# Altium PCB Fri3D_IRA_02.PcbDoc (part 1 of 2)
Units mm, origin at the board's own origin, x right, y up, seen from the top; angles counter-clockwise.
Board outline 68.5 x 67.5 mm, 2 copper layers (Top Layer, Bottom Layer), stack 1.571 mm thick; 98 components, 74 nets, 350 pads, 73 vias.
Unrouted connection lines stored in the file: 3.
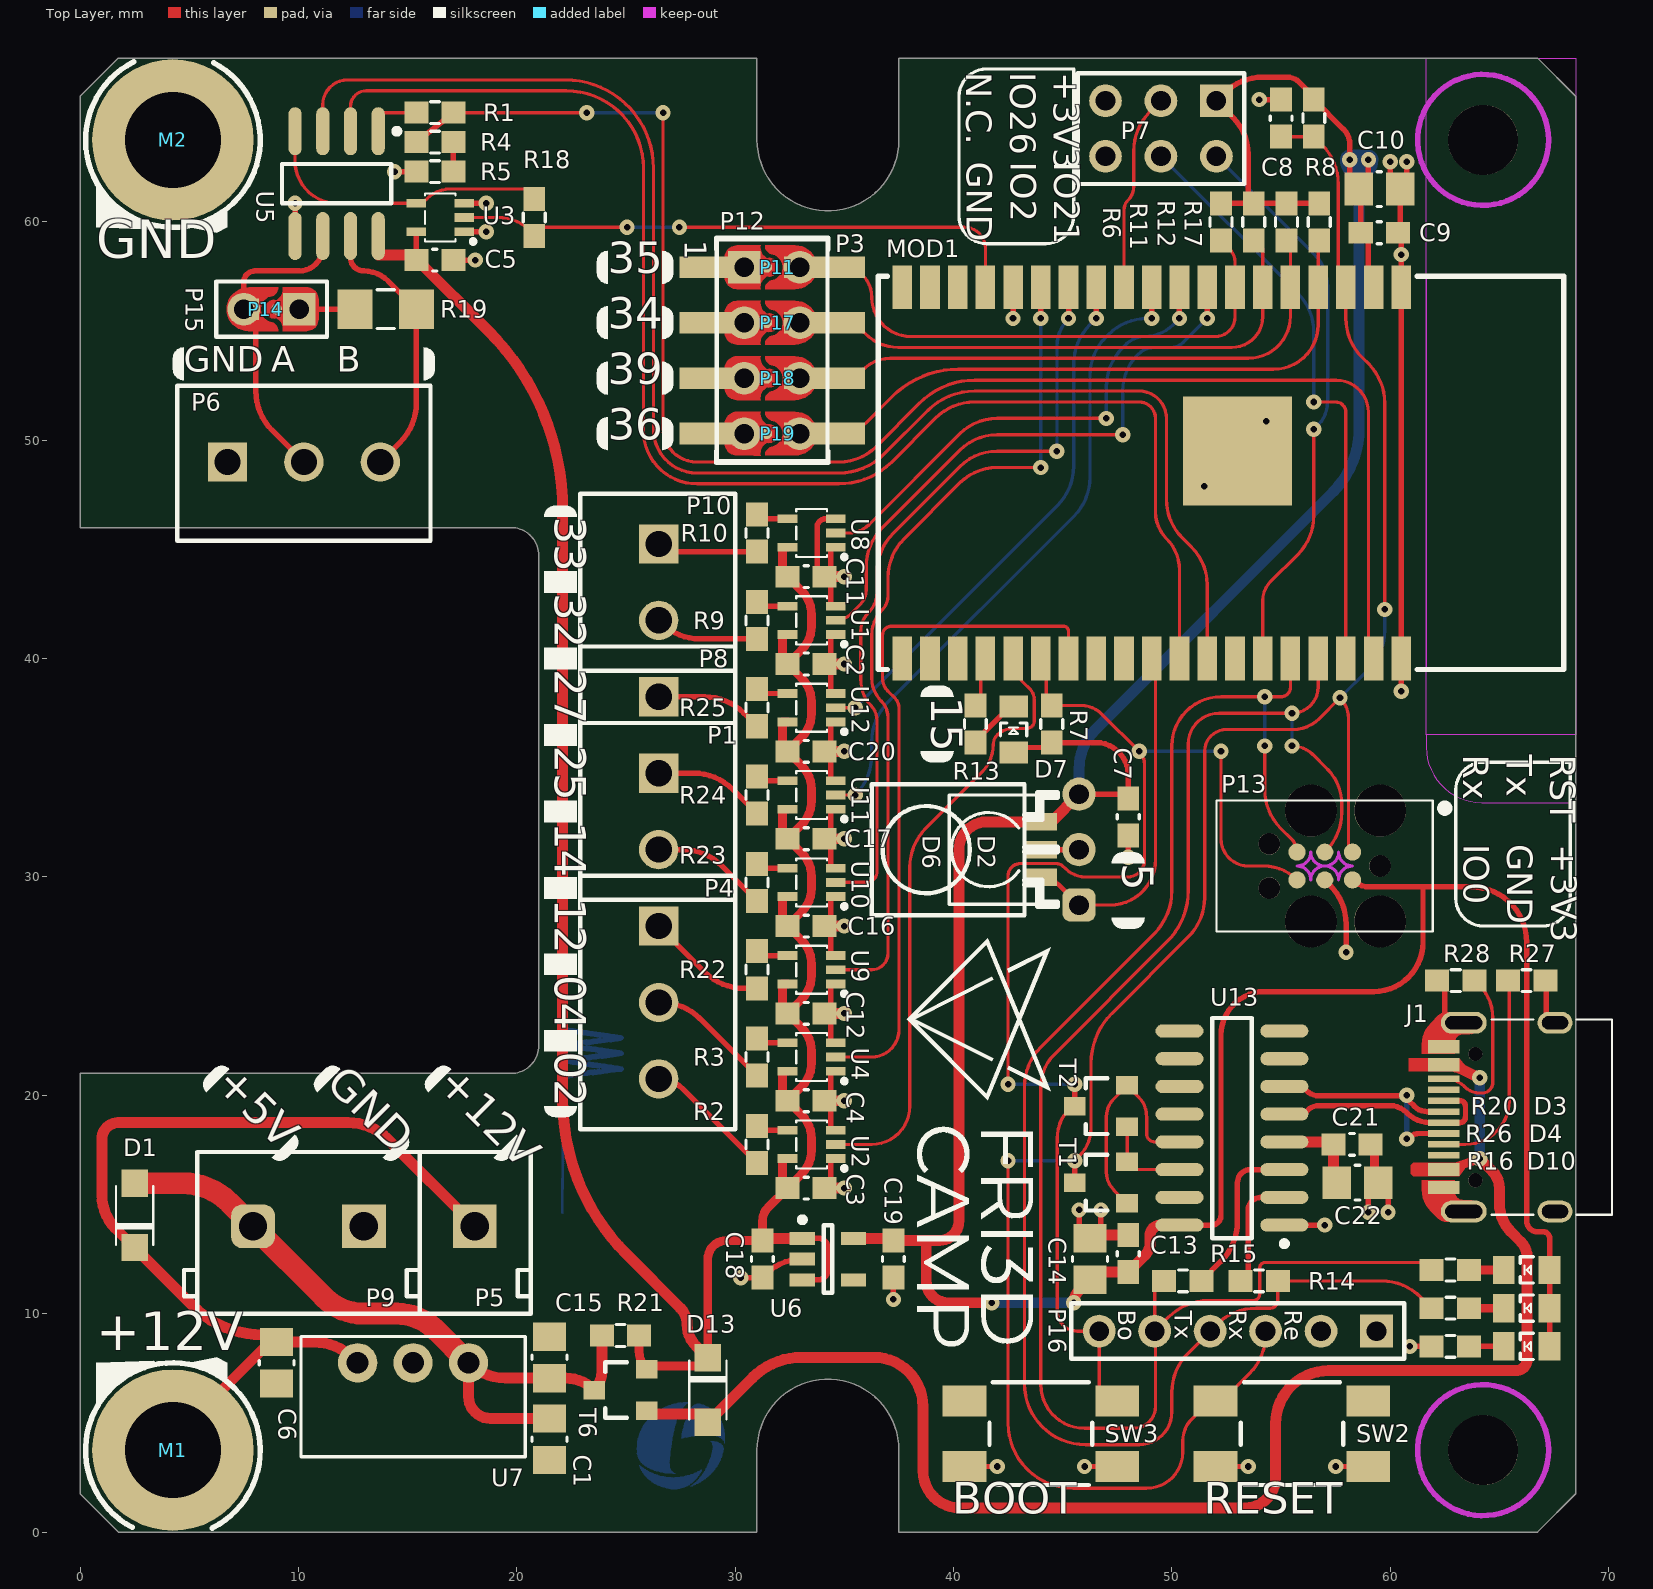
[diagram p0: Top Layer view]
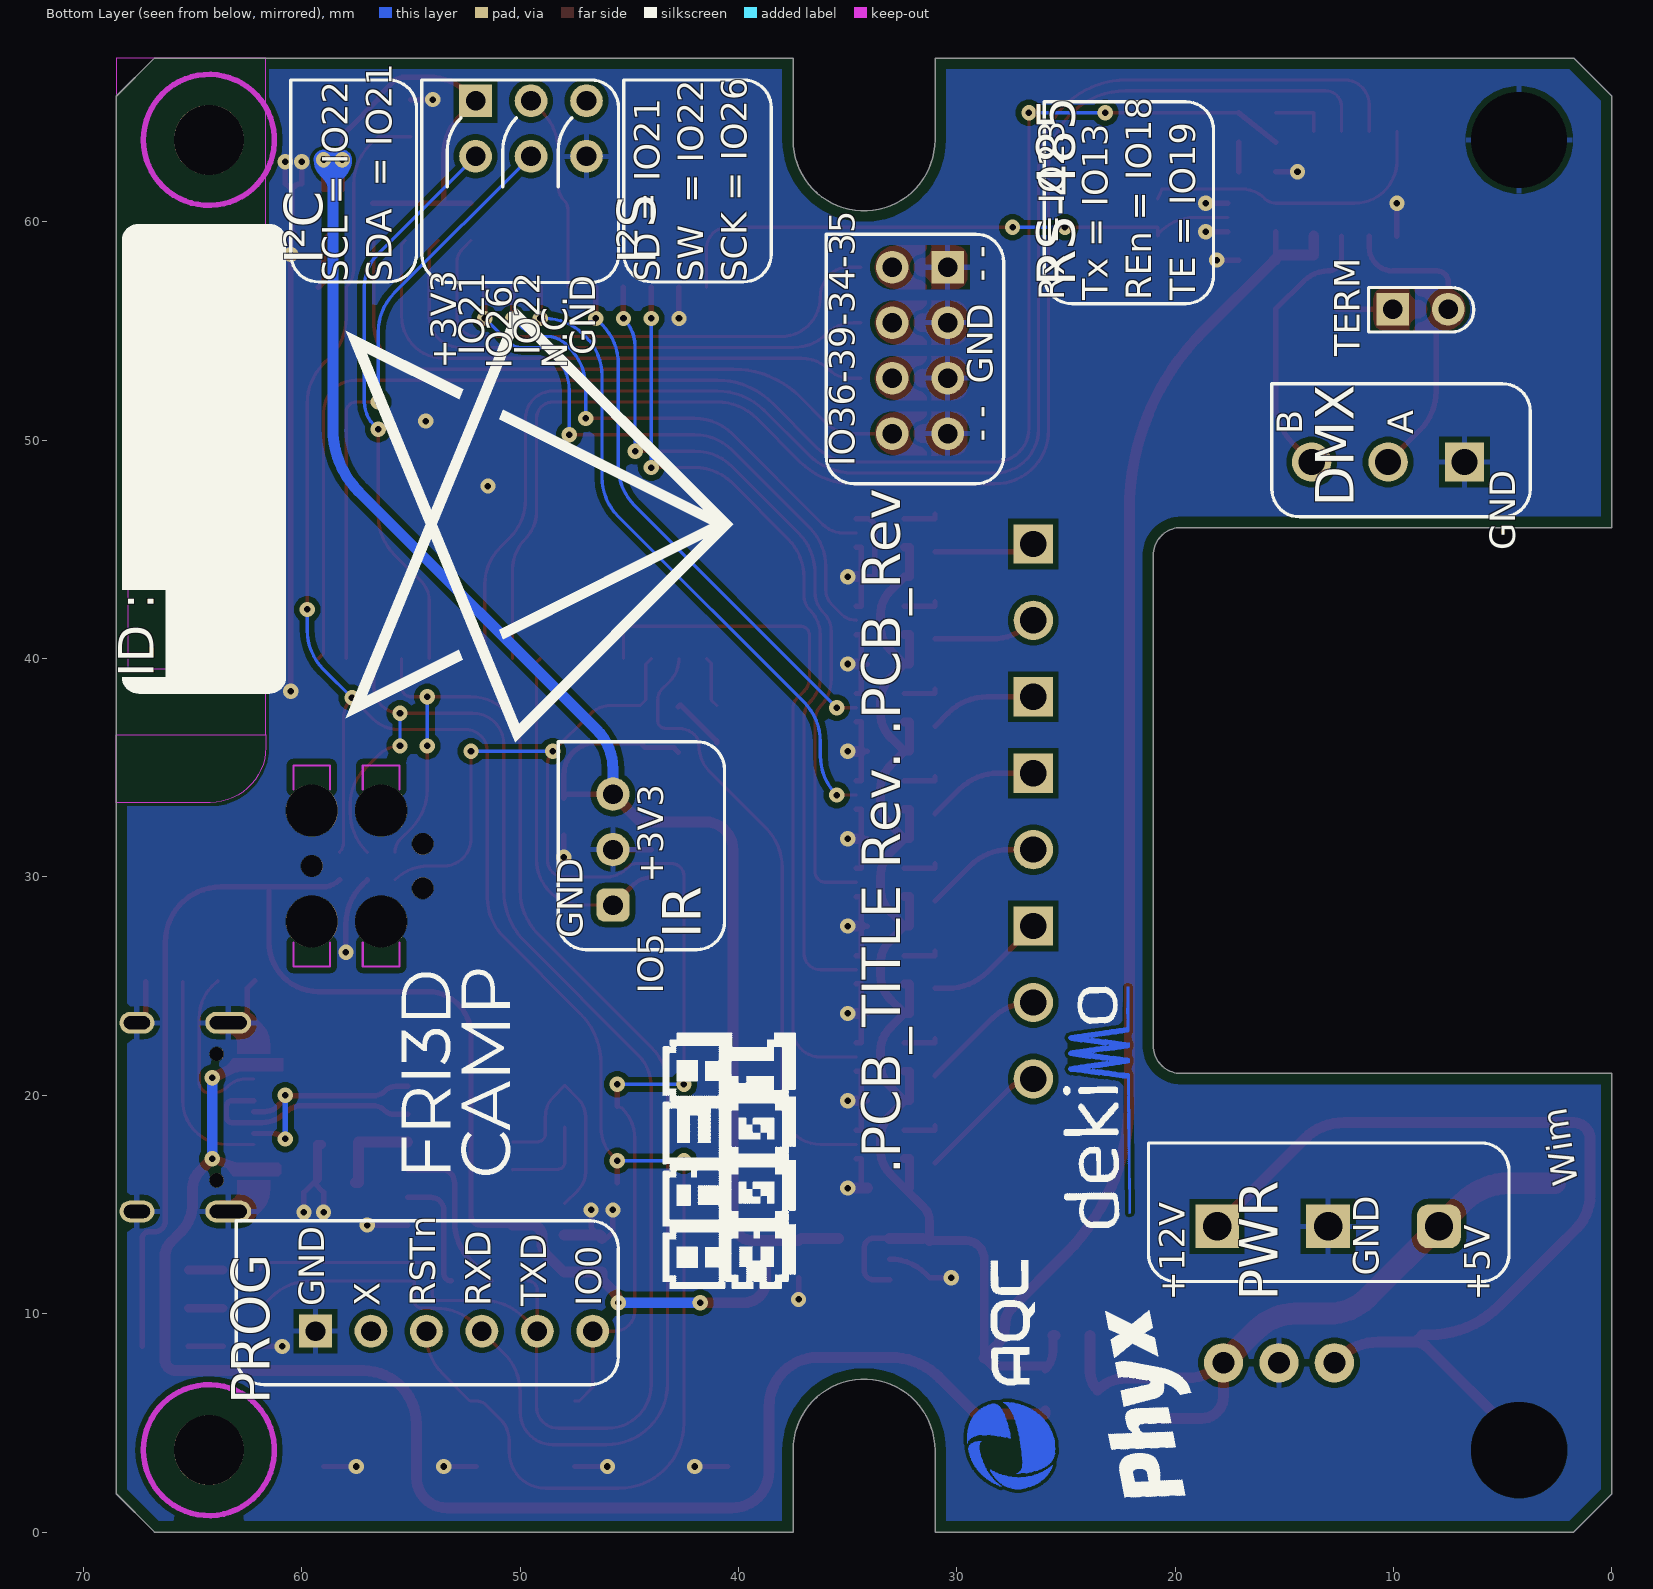
[diagram p1: Bottom Layer view, seen from below]

## Layer stack, top to bottom
Top Solder: solder mask 0.0102, Solder Resist, Dk 3.5
Top Layer: signal copper 0.0356
Dielectric1: core 1.5, FR-4, Dk 4.8
Bottom Layer: signal copper 0.0356
Bottom Solder: solder mask 0.0102, Solder Resist, Dk 3.5

## Board outline
0,1.75 1.75,0 31,0 31,3.75 cw(c34.25,3.75) 37.5,3.75 37.5,0 66.75,0 68.5,1.75 68.5,65.75 66.75,67.5 37.5,67.5 37.5,63.75 cw(c34.25,63.75) 31,63.75 31,67.5 1.75,67.5 0,65.75 0,46 19.73,46 cw(c19.73,44.73) 21,44.73 21,22.27 cw(c19.73,22.27) 19.73,21 0,21

## Design rules (kind name [scope] priority, off if disabled: settings)
BoardOutlineClearance [NOT OnLayer('Top Overlay') AND NOT OnLayer('Bottom Overlay') AND NOT IsText AND NOT HasFootprint('MicroBIT_PCB') AND NOT IsKeepOut] p1: gap=0.5 ignorepadtopadclearanceinfootprint=FALSE except(0: Arc-SplitContinuation Track-SplitContinuation SMDPad-SplitContinuation THPad-SplitContinuation Via-SplitContinuation Fill-SplitContinuation Poly-SplitContinuation Region-SplitContinuation Text-SplitContinuation; 0.15: SMDPad-OutlineEdge THPad-OutlineEdge; 0.25: Region-OutlineEdge; 0.3: Arc-OutlineEdge Track-OutlineEdge; 0.4: Via-OutlineEdge)
Clearance [All] p1: gap=0.15 ignorepadtopadclearanceinfootprint=FALSE except(0: Arc-Hole Track-Hole SMDPad-Hole THPad-Hole Via-Hole Fill-Hole Poly-Hole Region-Hole Text-Hole; 0.25: Arc-Poly Track-Poly SMDPad-Poly THPad-Poly Via-Poly Fill-Poly; 1.1: Poly-Poly)
ComponentClearance ComponentClearance_TP [HasFootprint('TP_2x3mm')] p1: gap=0 collisioncheckmode=3 verticalgap=0 showdistances=FALSE
ComponentClearance [All] p2: gap=0.25 collisioncheckmode=3 verticalgap=0.25 showdistances=FALSE
DiffPairsRouting [All] p1: maxlimit=0.254 minlimit=0.2 mostfreqgap=0.2 toplayer_minwidth=0.25 toplayer_maxwidth=0.5 toplayer_prefwidth=0.25 bottomlayer_minwidth=0.25 bottomlayer_maxwidth=0.5 bottomlayer_prefwidth=0.25 maxuncoupledlength=12.7
HoleSize [All] p1: absolutevalues=TRUE maxlimit=10 minlimit=0.025 maxpercent=80.000 minpercent=20.000
PolygonConnect PolygonConnect_VIA [IsVia] p1: connectstyle=Direct reliefconductorwidth=0.254 reliefentries=4 polygonreliefangle="90 Angle" airgapwidth=0.254
PolygonConnect [All] p2: connectstyle=Relief reliefconductorwidth=0.254 reliefentries=4 polygonreliefangle="90 Angle" airgapwidth=0.254
RoutingVias [All] p1: holewidth=0.3 width=0.7 viastyle="Through Hole" minholewidth=0.3 minwidth=0.2 maxholewidth=0.6 maxwidth=1.2
SilkToSolderMaskClearance SilkscreenOverComponentPads [IsPad] p1: minsilkscreentomaskgap=0.254 clearancetoexposedcopper=TRUE
SolderMaskExpansion [All] p1: expansion=0.05 istentingtop=FALSE
Width [All] p1: maxlimit=5 minlimit=0.15 preferedwidth=0.25
26 further rules are at their usual default settings.

## Classes and differential pairs
net class 90r: USB.D_n USB.D_p
component class Fri3D_IRA_02: J1 M1 M2 P1 P3 P4 P5 P6 P7 P8 P9 P10 P11 P12 P17 P18 P19 R6 R11 R12 R17 R27 R28
net class LED.DOUT[0..7]: LED.DOUT0 LED.DOUT1 LED.DOUT2 LED.DOUT3 LED.DOUT4 LED.DOUT5 LED.DOUT6 LED.DOUT7
net class LED.D[0..7]: ESP.IO2 ESP.IO4 ESP.IO12 ESP.IO14 ESP.IO25 ESP.IO27 ESP.IO32 ESP.IO33
net class ESP.IO[0..39]: ESP.IO0 ESP.IO2 ESP.IO4 ESP.IO5 ESP.IO6 ESP.IO7 ESP.IO8 ESP.IO9 ESP.IO10 ESP.IO11 ESP.IO12 ESP.IO13 ESP.IO14 ESP.IO15 ESP.IO16 ESP.IO17 ESP.IO18 ESP.IO19 ESP.IO20 ESP.IO21 ESP.IO22 ESP.IO23 ESP.IO24 ESP.IO25 ESP.IO26 ESP.IO27 ESP.IO28 ESP.IO29 ESP.IO30 ESP.IO31 ESP.IO32 ESP.IO33 ESP.IO34 ESP.IO35 ESP.IO36 ESP.IO37 ESP.IO38 ESP.IO39
component class Power: C1 C6 C15 C18 C19 D1 D13 R21 T6 U6 U7
component class Peripherals: C2 C3 C4 C5 C7 C11 C12 C16 C17 C20 D2 D6 P14 P15 R1 R2 R3 R4 R5 R9 R10 R18 R19 R22 R23 R24 R25 U1 U2 U3 U4 U5 U8 U9 U10 U11 U12
component class ESP32: C8 C9 C10 C13 C14 C21 C22 D3 D4 D7 D10 MOD1 P13 P16 R7 R8 R13 R14 R15 R16 R20 R26 SW2 SW3 T1 T2 U13
net class POWER: 3V3_ESP 3V3_USB +5VIN +12VIN GND VSYS VUSB
differential pair USB.D: +USB.D_p -USB.D_n

## Components (designator, comment, footprint, x,y, rotation, side; value= is the part's Value field where it differs from the comment)
C1 "CAP_CERAMIC" C0805_N 21.5,4.25 r270 top value="10uF 10V"
C2 "" C0603_N 33.25,39.75 r0 top value="100nF 16V"
C3 "" C0603_N 33.25,15.75 r0 top value="100nF 16V"
C4 "" C0603_N 33.25,19.75 r0 top value="100nF 16V"
C5 "" C0603_N 16.25,58.25 r0 top value="100nF 16V"
C6 "" C0805_N 9,7.75 r270 top value="10uF 25V"
C7 "" C0603_N 48,32.75 r270 top value="100nF 16V"
C8 "" C0603_N 55,64.75 r90 top value="100nF 16V"
C9 "" C0603_N 59.5,59.5 r0 top value="100nF 16V"
C10 "" C0805_N 59.5,61.5 r0 top value="10uF 10V"
C11 "" C0603_N 33.25,43.75 r0 top value="100nF 16V"
C12 "" C0603_N 33.25,23.75 r0 top value="100nF 16V"
C13 "" C0603_N 48,12.75 r90 top value="100nF 16V"
C14 "" C0805_N 46.25,12.5 r270 top value="10uF 10V"
C15 "CAP_CERAMIC" C0805_N 21.5,8 r90 top value="10uF 10V"
C16 "" C0603_N 33.25,27.75 r0 top value="100nF 16V"
C17 "" C0603_N 33.25,31.75 r0 top value="100nF 16V"
C18 "" C0603_N 31.25,12.5 r270 top value="1uF 16V"
C19 "" C0603_N 37.25,12.5 r270 top value="1uF 16V"
C20 "" C0603_N 33.25,35.75 r0 top value="100nF 16V"
C21 "" C0603_N 58.25,17.75 r0 top value="100nF 16V"
C22 "" C0805_N 58.5,16 r180 top value="10uF 10V"
D1 "30V 1A 350mV@100mA SOD-123 Schottky" ON_SOD-123FL_AC 2.5,14.5 r90 top value=LMBR130T1G
D2 "ZIRM-5042B-42-Z2 Infrared Receiver 38 kHz 45° 2.7-5.5V 940nm" CHAU_ZIRM-5042B-42-Z2 44,31.25 r90 top value=ZIRM-5042B-42-Z2
D3 "Default 0805 Red LED" LED_0805_RD 66.25,12 r180 top
D4 "Default 0805 Green LED" LED_0805_GR 66.25,10.25 r180 top
D6 "IRM-3638N3F14 Infrared Receiver 38 kHz 45° 2.7-5.5V" VIS_TSOP381x_BENT 45.75,31.25 r90 top locked value=IRM-3638N3F14
D7 "Default 0805 Green LED" LED_0805_GR 42.75,36.75 r90 top
D10 "Default 0805 Green LED" LED_0805_GR 66.25,8.5 r180 top
D13 "30V 1A 350mV@100mA SOD-123 Schottky" ON_SOD-123FL_AC 28.75,6.5 r270 top value=LMBR130T1G
J1 "USB 2.0 C Reversible Receptacle Horizontal" HRO_TYPE-C-31-M-12 65,19 r90 top value=TYPE-C-31-M-12
M1 "SMD Spacer 1mm M3 Internal Thread" WE_9774010360 4.25,3.75 r0 top value=9774010360
M2 "SMD Spacer 1mm M3 Internal Thread" WE_9774010360 4.25,63.75 r0 top value=9774010360
MOD1 "ESP-32 based ESP-WROVER-32" ESP-WROVER-32 52.25,48.5 r270 top locked value=ESP-WROVER-32
P1 "2 Way Screw HDR 3.5mm Rising Cage" WE_691103110002 26.5,33 r270 top
P3 "Header 4x2" HDR2X4 30.42,57.92 r270 top locked
P4 "3 Way Screw HDR 3.5mm Rising Cage" WE_691103110003 26.5,24.25 r270 top
P5 "3 Way Screw HDR 5,08mm" TERM_BLK-0508-3-90 13,14 r180 top value=PM5.08/3/90
P6 "3 Way Screw HDR 3.5mm Rising Cage" WE_691103110003 10.25,49 r0 top
P7 "Header 3X2" HDR2X3 52.04,65.54 r180 top
P8 "3 Way Screw HDR 3.5mm Rising Cage" WE_691103110003 26.5,34.75 r270 top
P9 "2 Way Screw HDR 5,08mm" TERM_BLK-0508-2-90 10.46,14 r180 top value=PM5.08/2/90
P10 "2 Way Screw HDR 3.5mm Rising Cage" WE_691103110002 26.5,43.5 r270 top
P11 "Easy to solder connection" SOLDER_SW_V_1MM 31.445,57.92 r90 top value="NO BOM"
P12 "Header 4X2" HDR2X4_SMD 31.7,55.38 r270 top
P13 "6 pin tagconnect TC2030" TC2030 57,30.5 r180 top value=TC2030
P14 "Easy to solder connection" SOLDER_SW_V_1MM 9,56 r270 top value="NO BOM"
P15 "Header 2" HDR1X2 10.04,56 r180 top
P16 "Header 6" HDR1X6 59.37,9.2 r180 top
P17 "Easy to solder connection" SOLDER_SW_V_1MM 31.445,55.38 r90 top value="NO BOM"
P18 "Easy to solder connection" SOLDER_SW_V_1MM 31.445,52.84 r90 top value="NO BOM"
P19 "Easy to solder connection" SOLDER_SW_V_1MM 31.445,50.3 r90 top value="NO BOM"
R1 "" R0603_N 16.25,65 r0 top value=5K1
R2 "" R0603_N 31,17.75 r270 top value=1K
R3 "" R0603_N 31,21.75 r270 top value=1K
R4 "" R0603_N 16.25,63.65 r0 top value=5K1
R5 "" R0603_N 16.25,62.3 r180 top value=5K1
R6 "" R0603_N 52.25,60 r270 top value=5K1
R7 "" R0603_N 44.5,37 r90 top value=5K1
R8 "" R0603_N 56.5,64.75 r270 top value=5K1
R9 "" R0603_N 31,41.75 r270 top value=1K
R10 "" R0603_N 31,45.75 r270 top value=1K
R11 "" R0603_N 53.75,60 r270 top value=5K1
R12 "" R0603_N 55.25,60 r270 top value=5K1
R13 "" R0603_N 41,37 r90 top value=5K1
R14 "" R0603_N 54,11.5 r0 top value=100R
R15 "" R0603_N 50.5,11.5 r180 top value=100R
R16 "" R0603_N 62.75,8.5 r180 top value=5K1
R17 "" R0603_N 56.75,60 r270 top value=5K1
R18 "" R0603_N 20.8,60.2 r90 top value=100R
R19 "" R1206 14,56 r0 top value=120R
R20 "" R0603_N 62.75,12 r180 top value=5K1
R21 "" R0603_N 24.75,9 r180 top value=0R
R22 "" R0603_N 31,25.75 r270 top value=1K
R23 "" R0603_N 31,29.75 r270 top value=1K
R24 "" R0603_N 31,33.75 r270 top value=1K
R25 "" R0603_N 31,37.75 r270 top value=1K
R26 "" R0603_N 62.75,10.25 r180 top value=5K1
R27 "" R0603_N 66.25,25.25 r0 top value=5K1
R28 "" R0603_N 63,25.25 r180 top value=5K1
SW2 "4.5x4.5mm tact SMD H3,8mm" WE_430181038816#1 55.5,4.5 r0 top value=430181038816
SW3 "4.5x4.5mm tact SMD H3,8mm" WE_430181038816#2 44,4.5 r0 top value=430181038816
T1 "0.2A N-Ch MOSFET Vgs 3.2" SOT23-3 46.75,16 r90 top value=BSS138
T2 "0.2A N-Ch MOSFET Vgs 3.2" SOT23-3 46.75,19.5 r90 top value=BSS138
T6 "-2.3A -20V P-Ch MOSFET Vgs -1V" SOT23-3 24.75,6.5 r90 top value=SL2301
U1 "SN74AHCT1G125DCKR  Buffer, Tri-State, 4.5V to 5.5V" TI_DCK_R-PDSO-G5 33.5,41.75 r90 top value=SN74AHCT1G125DCKR
U2 "SN74AHCT1G125DCKR  Buffer, Tri-State, 4.5V to 5.5V" TI_DCK_R-PDSO-G5 33.5,17.75 r90 top value=SN74AHCT1G125DCKR
U3 "SN74AHCT1G125DCKR  Buffer, Tri-State, 4.5V to 5.5V" TI_DCK_R-PDSO-G5 16.5,60.2 r90 top value=SN74AHCT1G125DCKR
U4 "SN74AHCT1G125DCKR  Buffer, Tri-State, 4.5V to 5.5V" TI_DCK_R-PDSO-G5 33.5,21.75 r90 top value=SN74AHCT1G125DCKR
U5 "RS-485 5V Transceiver 500kbps" SOIC_N_8 11.75,61.75 r270 top value=WS3085
U6 "3V3 LDO 700mA 50mV" SOT23-5 34.25,12.5 r0 top value=XC6210B332MR
U7 "Mornsun K7805-500R3-LB 5V 500mA 4.75~36Vin" K78xx-500R3-LB 15.25,7.75 r270 top value=K7805-500R3-LB
U8 "SN74AHCT1G125DCKR  Buffer, Tri-State, 4.5V to 5.5V" TI_DCK_R-PDSO-G5 33.5,45.75 r90 top value=SN74AHCT1G125DCKR
U9 "SN74AHCT1G125DCKR  Buffer, Tri-State, 4.5V to 5.5V" TI_DCK_R-PDSO-G5 33.5,25.75 r90 top value=SN74AHCT1G125DCKR
U10 "SN74AHCT1G125DCKR  Buffer, Tri-State, 4.5V to 5.5V" TI_DCK_R-PDSO-G5 33.5,29.75 r90 top value=SN74AHCT1G125DCKR
U11 "SN74AHCT1G125DCKR  Buffer, Tri-State, 4.5V to 5.5V" TI_DCK_R-PDSO-G5 33.5,33.75 r90 top value=SN74AHCT1G125DCKR
U12 "SN74AHCT1G125DCKR  Buffer, Tri-State, 4.5V to 5.5V" TI_DCK_R-PDSO-G5 33.5,37.75 r90 top value=SN74AHCT1G125DCKR
U13 "USB to full UART with internal crystal" SOIC_N_16 52.75,18.5 r180 top value=CH340C

## Footprints (in the part's own frame and the unit in brackets; to place one, negate y for a bottom-side part, rotate by r counter-clockwise, add the part's x,y. Pads: shape width x height; smd on the part's side, far side on the other; paste and mask are expansions set on the pad)
C0603_N [mm] "Low density"
  rect 1.1x1 smd: 1(-0.85,0) 2(0.85,0)
  silkscreen extent -0.1,-0.5 0.1,0.5, body extent -0.8,-0.4 0.8,0.4, height 0.3
C0805_N [mm] "Low density"
  rect 1.3x1.5 smd: 1(-0.95,0) 2(0.95,0)
  silkscreen extent -0.1,-0.8 0.1,0.8, body extent -1,-0.62 1,0.63, height 0.78
CHAU_ZIRM-5042B-42-Z2 [mm] "CHAU SMD IR Receiver"
  rect 0.8x1.5 smd: 1(-1.27,0) 2(0,0) 3(1.27,0)
  silkscreen extent -2.5,0 2.5,4.2, body extent -2.5,0 2.5,4.2, height 4.4
ESP-WROVER-32 [mm] "ESP-WROVER-32 Module"
  rect 2x0.9 smd: 1(-8.5,8.258) 2(-8.5,6.988) 3(-8.5,5.718) 4(-8.5,4.448) 5(-8.5,3.178) 6(-8.5,1.908) 7(-8.5,0.638) 8(-8.5,-0.632) 9(-8.5,-1.902) 10(-8.5,-3.172) 11(-8.5,-4.442) 12(-8.5,-5.712) 13(-8.5,-6.982) 14(-8.5,-8.252) 15(-8.5,-9.522) 16(-8.5,-10.79) 17(-8.5,-12.06) 18(-8.5,-13.33) 19(-8.5,-14.6) 20(8.5,-14.6) 21(8.5,-13.33) 22(8.5,-12.06) 23(8.5,-10.79) 24(8.5,-9.522) 25(8.5,-8.252) 26(8.5,-6.982) 27(8.5,-5.712) 28(8.5,-4.442) 29(8.5,-3.172) 30(8.5,-1.902) 31(8.5,-0.632) 32(8.5,0.638) 33(8.5,1.908) 34(8.5,3.178) 35(8.5,4.448) 36(8.5,5.718) 37(8.5,6.988) 38(8.5,8.258)
  rect 5x5 smd paste-10: 39(-1,0.759)
  Keep-Out Layer region: -9,9.4 9,9.4 9,15.7 -9,15.7
  silkscreen extent -9,-15.7 9,15.7, body extent -9,-15.7 9,15.7, height 3.6
HDR1X2 [mm] "Connector; Header; 2 Position"
  rect 1.5x1.5 hole 0.9: 1(0,0)
  round 1.5 hole 0.9: 2(2.54,0)
  silkscreen extent -1.27,-1.27 3.81,1.27, body extent -1.17,-1.25 3.91,1.25, height 8.2
HDR1X6 [mm] "Connector; Header; 6 Position"
  rect 1.5x1.5 hole 0.9: 1(0,0)
  round 1.5 hole 0.9: 2(2.54,0) 3(5.08,0) 4(7.62,0) 5(10.16,0) 6(12.7,0)
  silkscreen extent -1.27,-1.27 13.97,1.27, body extent -1.27,-1.23 13.97,1.27, height 8.2
HDR2X3 [mm] "Connector; Header; 3x2 Position"
  rect 1.5x1.5 hole 0.9: 1(0,0)
  round 1.5 hole 0.9: 2(0,2.54) 3(2.54,0) 4(2.54,2.54) 5(5.08,0) 6(5.08,2.54)
  silkscreen extent -1.27,-1.27 6.35,3.81, body extent -1.27,-1.27 6.35,3.81, height 8.5
HDR2X4 [mm] "Connector; Header; 4x2 Position"
  rect 1.5x1.5 hole 0.9: 1(0,0)
  round 1.5 hole 0.9: 2(0,2.54) 3(2.54,0) 4(2.54,2.54) 5(5.08,0) 6(5.08,2.54) 7(7.62,0) 8(7.62,2.54)
  silkscreen extent -1.27,-1.27 8.89,3.81, body extent -1.27,-1.14 8.89,3.68, height 8.13
HDR2X4_SMD [mm] "Connector; Header; 4x2 Position"
  rect 1x3.1 smd: 1(-2.54,-2.7) 2(-2.54,2.7) 3(0,-2.7) 4(0,2.7) 5(2.54,-2.7) 6(2.54,2.7) 7(5.08,-2.7) 8(5.08,2.7)
  silkscreen extent -3.89,-2.56 6.43,2.57, body extent -3.81,-3.75 6.35,3.75, height 9.62
HRO_TYPE-C-31-M-12 [mm] "USB C Connector"
  round 0.65 hole 0.65 unplated: 0(-2.89,1.102) 0(2.89,1.102)